# KiCad board LV_PCB.kicad_pcb (continued)
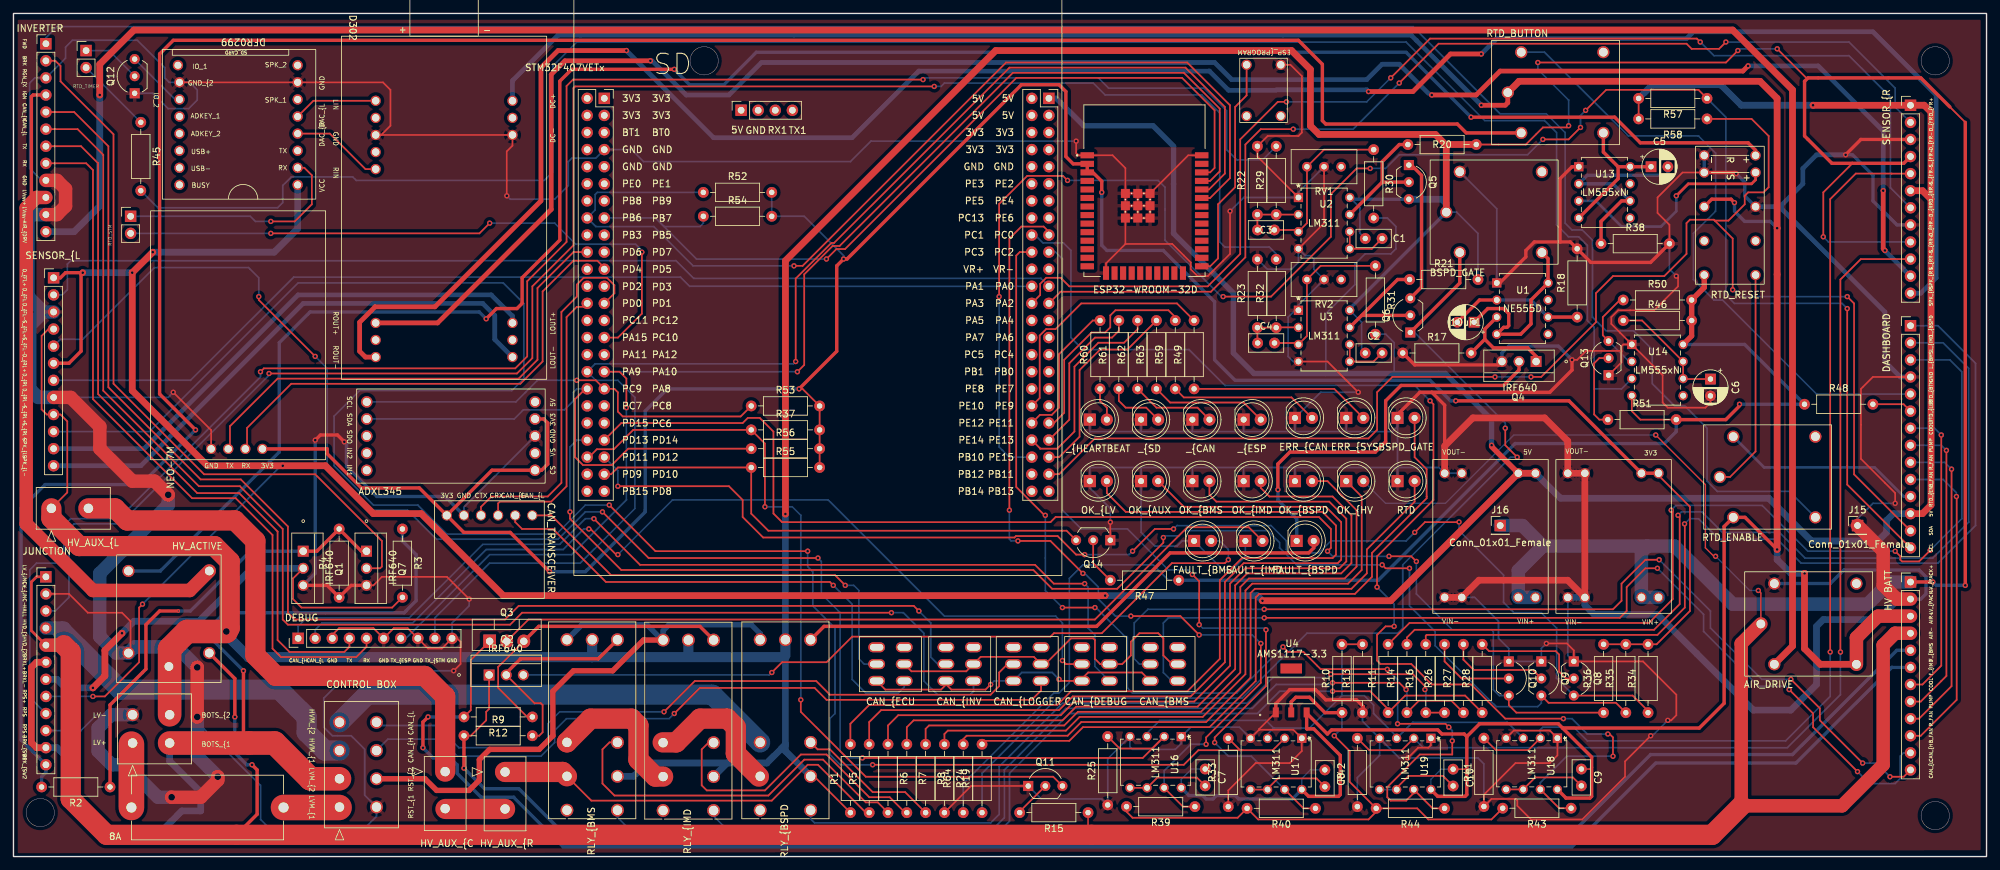
[diagram p0: board, top side]
## Nets
+3V3: R34.2 R35.2 R36.2 R37.2 R52.2 R53.2 R54.2 R55.2 R56.2 U6.3 U7.1 U9.1 U9.7 U10.1 U11.2 U11.3
ACC_{SCL}: R53.1 U9.14 U15.67
ACC_{SDA}: R56.1 U9.13 U15.66
ADC2_IN0: J12.2 U15.23
ADC2_IN1: J12.7 U15.24
ADC2_IN2: J10.2 U15.25
ADC2_IN3: J10.7 U15.26
ADC3_IN10: R39.1 U15.15 U16.7
ADC3_IN11: R43.1 U15.16 U18.7
ADC3_IN12: R40.1 U15.17 U17.7
ADC3_IN13: R44.1 U15.18 U19.7
AIR+: C7.1 C8.1 C9.1 C10.1 J2.3 K3.14 K4.2 K5.7 K6.13 U4.3 U8.1 U16.8 U17.8 U18.8 U19.8
AIR-: D10.2 J2.4 J4.1 J4.5 K2.2 K3.7 R15.1
AIR_DRIVE: J1.12 K3.2
BMS_FAULT: J2.5 Q2.1 R9.1
BMS_Pin: Q8.3 R34.1 U15.59
BOTS_{1}: J3.2 J4.6 J4.11 J6.3 R3.1
BOTS_{2}: C1.1 C2.1 J2.1 J6.4 J10.4 J10.9 J12.4 J12.9 J13.1 J16.1 K1.7 K2.7 Q5.3 R1.1 R20.1 R21.2 RLY1.3 RLY1.4 RLY2.3 RLY2.4 RLY3.3 RLY3.4 U2.8 U3.8 U5.1 U6.1
BRAKE_LIGHT-: J4.7 Q1.2 R3.2
BRAKE_SW_{2}: J4.12 K5.2 R2.2
BRAKE_SW_{INV}: J1.2 Q7.2
BRAKE_{GND}: C6.2 D1.1 D2.1 D3.1 D4.1 D5.1 D6.1 D8.1 D9.1 D11.1 D12.1 D13.1 D14.1 D15.1 D16.1 D17.1 J1.3 J1.9 J1.11 J2.2 J3.5 J4.2 J4.10 J5.4 J6.2 J7.3 J7.6 J7.8 J7.10 J10.3 J10.8 J12.3 J12.8 J15.1 K1.6 K2.6 K3.6 K6.4 K6.15 K6.16 Q1.3 Q4.3 Q7.3 Q8.1 Q9.1 Q10.1 Q11.1 Q12.1 Q13.1 Q14.1 R4.1 R13.1 R17.1 R18.2 R22.2 R23.2 R24.2 R25.1 R33.1 R38.2 R41.1 R42.1 RV1.2 RV2.2 SW8.2 U1.1 U2.1 U2.4 U3.1 U3.4 U4.1 U5.2 U5.4 U6.2 U6.4 U7.2 U8.2 U8.8 U9.2 U10.4 U11.1 U11.15 U11.38 U11.39_1 U11.39_2 U11.39_3 U11.39_4 U11.39_5 U11.39_6 U11.39_7 U11.39_8 U11.39_9 U11.39_10 U11.39_11 U11.39_12 U11.39_13 U11.39_14 U11.39_15 U11.39_16 U11.39_17 U11.39_18 U11.39_19 U11.39_20 U11.39_21 U12.7 U12.10 U13.1 U14.1 U15.20 U16.1 U16.4 U17.1 U17.4 U18.1 U18.4 U19.1 U19.4
BRAKE_{PWR}: J4.8 J5.12 J10.1 J10.6 J12.1 J12.6 R30.2 R31.2 R57.2 R58.2 U5.3 U12.1 U15.100
BRAKE_{SIG}: J4.9 R29.2
BSPD_Pin: Q10.3 R36.1 U15.61
CAN1_{RX}: U7.4 U15.81
CAN1_{TX}: U7.3 U15.82
CAN_H_{BMS}: J2.11 SW3.6
CAN_H_{DEBUG}: J7.1 SW1.6
CAN_H_{INV}: J1.5 SW4.3
CAN_H_{LOGGER}: J3.7 SW5.6
CAN_L_{BMS}: J2.12 SW3.3
CAN_L_{DEBUG}: J7.2 SW1.3
CAN_L_{INV}: J1.6 SW4.6
CAN_L_{LOGGER}: J3.8 SW5.3
ESP_RX: J7.9 U11.34 U15.68
ESP_TX: J7.7 U11.35 U15.69
ESP_{SCL}: R54.1 U11.36 U15.93
ESP_{SDA}: R52.1 U11.33 U15.92
FORWARD_ENABLE: J1.1 K4.14
GPS_{RX}: U10.2 U15.86
GPS_{TX}: U10.3 U15.87
HALL_{SIG}: J4.3 R32.2
HV_ACTIVE_Pin: Q11.3 R37.1 U15.58
HV_AUX_{C1}: J8.1 J13.2
HV_AUX_{C2}: J8.2 J11.2
HV_AUX_{R2}: J11.1 R5.1 RLY1.7
HV_MASTER_{1}: J3.4 RLY3.8
HVD_{1}: J3.3 J4.4
IGNITION_INPUT: J1.4 J1.10 K2.14
IMD_FAULT: J2.6 Q3.1 R12.2
IMD_Pin: Q9.3 R35.1 U15.60
LATCH_{BMS}: J5.3 R11.2
LATCH_{BSPD}: J5.1 R16.2
LATCH_{IMD}: J5.2 R14.2
LCD_{SCL}: J5.14 R57.1 U15.47
LCD_{SDA}: J5.13 R58.1 U15.48
LV+: F1.2 J6.1
LV_MASTER_{1}: F1.1 J3.1
RESET_{2}: J3.6 RLY1.1 RLY2.1 RLY3.1
RTD_ACTIVE_Pin: Q14.3 R55.1 U15.57
RTD_BUTTON: J5.5 K5.6
RTD_LED: J5.6 R48.2
SPD_FL_{GND}: J12.5 R25.2 U16.2
SPD_FR_{GND}: J10.5 R41.2 U18.2
SPD_RL_{GND}: J12.10 R33.2 U17.2
SPD_RR_{GND}: J10.10 R42.2 U19.2
SPK_L+: J12.11 U8.3
SPK_L-: J12.12 U8.4
SPK_R+: J10.11 U8.6
SPK_R-: J10.12 U8.5
SW_{RTD_EN}: J5.11 K4.6
Net-(10uF1-Pad1): 10uF1.1 K1.14 U1.4 U1.8
Net-(10uF1-Pad2): 10uF1.2 R18.1 U1.2 U1.6
Net-(C1-Pad2): C1.2 U2.5 U2.6
Net-(C2-Pad2): C2.2 U3.5 U3.6
Net-(C3-Pad1): C3.1 R22.1 R29.1 U2.2
Net-(C3-Pad2): C3.2 R30.1 RV1.1 U2.3
Net-(C4-Pad1): C4.1 R23.1 R32.1 U3.2
Net-(C4-Pad2): C4.2 R31.1 RV2.1 U3.3
Net-(C5-Pad1): C5.1 K5.14 U13.4 U13.8
Net-(C5-Pad2): C5.2 R38.1 U13.2 U13.6
Net-(C6-Pad1): C6.1 R46.1 U14.6 U14.7
Net-(C7-Pad2): C7.2 U16.5 U16.6
Net-(C8-Pad2): C8.2 U17.5 U17.6
Net-(C9-Pad2): C9.2 U18.5 U18.6
Net-(C10-Pad2): C10.2 U19.5 U19.6
Net-(D1-Pad2): D1.2 R1.2
Net-(D2-Pad2): D2.2 Q2.3
Net-(D3-Pad2): D3.2 R5.2
Net-(D4-Pad2): D4.2 R6.1
Net-(D5-Pad2): D5.2 Q3.2
Net-(D6-Pad2): D6.2 R7.1
Net-(D7-Pad1): D7.1 Q4.2
Net-(D7-Pad2): D7.2 RLY3.2
Net-(D8-Pad2): D8.2 R8.1
Net-(D9-Pad2): D9.2 R19.2
Net-(D10-Pad1): D10.1 R24.1
Net-(D11-Pad2): D11.2 R49.1
Net-(D12-Pad2): D12.2 R59.1
Net-(D13-Pad2): D13.2 R60.1
Net-(D14-Pad2): D14.2 R61.1
Net-(D15-Pad2): D15.2 R62.1
Net-(D16-Pad2): D16.2 R63.1
Net-(D17-Pad2): D17.2 R64.2
Net-(J1-Pad7): J1.7 J7.4
Net-(J1-Pad8): J1.8 J7.5
Net-(J2-Pad7): J2.7 J5.7
Net-(J2-Pad8): J2.8 J5.8
Net-(J2-Pad9): J2.9 J5.9
Net-(J2-Pad10): J2.10 J5.10
Net-(J9-Pad1): J9.1 Q12.2
Net-(J9-Pad2): J9.2 R45.1
Net-(J14-Pad1): J14.1 U12.2
Net-(K1-Pad2): K1.2 Q6.1 R19.1
Net-(K4-Pad7): K4.7 K6.8
Net-(K6-Pad1): K2.1 K6.1
Net-(K6-Pad2): K6.2 U13.3
Net-(K6-Pad9): K6.9 R46.2 R47.1 R48.1 R50.2 R51.2 R64.1 U14.4 U14.8
Net-(Q1-Pad1): Q1.1 Q7.1 R2.1 R4.2
Net-(Q2-Pad2): Q2.2 R9.2 RLY1.2
Net-(Q3-Pad3): Q3.3 R12.1 RLY2.2
Net-(Q4-Pad1): Q4.1 R17.2 U1.3
Net-(Q5-Pad1): Q5.1 Q6.3
Net-(Q5-Pad2): Q5.2 R20.2 U2.7
Net-(Q6-Pad2): Q6.2 R21.1 U3.7
Net-(Q8-Pad2): Q8.2 R28.2
Net-(Q9-Pad2): Q9.2 R27.2
Net-(Q10-Pad2): Q10.2 R26.2
Net-(Q11-Pad2): Q11.2 R15.2
Net-(Q12-Pad3): Q12.3 U12.11
Net-(Q13-Pad2): Q13.2 R51.1
Net-(Q13-Pad3): Q13.3 R50.1 U14.2
Net-(Q14-Pad2): Q14.2 R47.2
Net-(R6-Pad2): R6.2 RLY1.5
Net-(R7-Pad2): R7.2 RLY2.5
Net-(R8-Pad2): R8.2 RLY3.5
Net-(R10-Pad1): R10.1 R39.2 R40.2 R43.2 R44.2 U4.2
Net-(R10-Pad2): R10.2 R13.2 U16.3 U17.3 U18.3 U19.3
Net-(R11-Pad1): R11.1 R28.1 RLY1.6
Net-(R14-Pad1): R14.1 R27.1 RLY2.6
Net-(R16-Pad1): R16.1 R26.1 RLY3.6
Net-(R45-Pad2): R45.2 U14.3
Net-(R49-Pad2): R49.2 U15.41
Net-(R59-Pad2): R59.2 U15.42
Net-(R60-Pad2): R60.2 U15.43
Net-(R61-Pad2): R61.2 U15.44
Net-(R62-Pad2): R62.2 U15.45
Net-(R63-Pad2): R63.2 U15.46
Net-(RLY1-Pad8): RLY1.8 RLY2.7
Net-(RLY2-Pad8): RLY2.8 RLY3.7
Net-(SW1-Pad1): SW1.1 SW2.1 SW3.1 SW4.1 SW5.1
Net-(SW1-Pad4): SW1.4 SW2.4 SW3.4 SW4.4 SW5.4
Net-(SW2-Pad3): SW2.3 U7.6
Net-(SW2-Pad6): SW2.6 U7.5
Net-(SW8-Pad1): SW8.1 U11.25
Net-(U12-Pad4): U8.7 U12.4
Net-(U12-Pad5): U8.9 U12.5
Net-(U15-Pad78): J14.2 U15.78

Pads without a net: K1 1; K3 1; K4 1; K5 1; K6 6 11; RLY1 9; RLY2 9; RLY3 9; RV1 3; RV2 3; SW1 2 5; SW2 2 5; SW3 2 5; SW4 2 5; SW5 2 5; U1 5 7; U4 4; U8 x; U9 6 8 9 12 22; U11 4 5 6 7 8 9 10 11 12 13 14 16 17 18 19 20 21 22 23 24 26 27 28 29 30 31 32 37; U12 3 6 8 9 12 13 14 15 16; U13 5 7; U14 5; U15 63 64 94 110 111 112 113 X

## Via types
v1: diameter 0.8, hole 0.4, Top to Bottom, 186 vias
v2: diameter 2, hole 1, Top to Bottom, 6 vias
v3: diameter 1, hole 0.4, Top to Bottom, 11 vias
v4: diameter 0.5, hole 0.2, Top to Bottom, 1 via

## Routing (per net, layer and track width the routed paths; a pad name or vN(x,y) marks a point on that pad's centre or on a via; arc(x,y) is an arc through that point)
+3V3: length 396.1
  Top w0.25: 160.34,101.71 U11.3 ; R55.2 R56.2 R37.2 R53.2 117.21,69.52 v1(116.71,69.52) ; 244.37,56.66 249.04,52 249.04,36.5 244.09,31.55 R34.2 R36.2 ; 46.57,60.6 46.6,60.63
  Top w0.5: U7.1 60.3,54.79 51.69,54.79 46.6,59.88 46.6,60.63 ; U7.1 66.9,48.19 73.78,48.19 v1(79.62,42.34) ; U7.1 71.09,57.43 U9.7 78.45,57.43 79.37,58.35 79.37,64.44 78.76,65.05 77.48,65.05 ; 160.34,101.71 161.66,100.39 v1(161.66,98.73) ; U6.3 U6.3 231.07,67.75 v1(214.25,67.75) ; v1(116.71,69.52) 122.29,75.11 122.29,87.8 v1(123.32,88.83) 123.83,88.83 149.74,114.74 155.32,114.74 156.34,113.72 156.34,104.06 157.42,102.98 U11.2 U11.3 ; 37.24,60.6 46.57,60.6
  Bottom w0.25: 161.66,98.48 v1(161.66,98.73) ; R52.2 R54.2 117.47,95.18 123.32,89.32 v1(123.32,88.83)
  Bottom w0.5: 161.66,98.48 161.66,90.86 162.43,90.1 170.81,90.1 178.43,82.48 178.43,73.84 181.48,70.79 210.43,70.79 213.48,67.75 v1(214.25,67.75) ; v1(116.71,69.52) 97.15,69.52 93.84,66.22 93.84,51.23 84.96,42.34 v1(79.62,42.34)
ACC_{SCL}: length 63
  Top w0.25: v1(83.69,70.79) 86.51,70.79 U15.67 89.26,69.53 89.78,69.02 89.78,66.15 90.51,65.42 108.03,65.42 R53.1
  Bottom w0.25: v1(83.69,70.79) 77.84,70.79 74.64,67.59 U9.14
ACC_{SDA}: length 74.1
  Top w0.25: U15.66 84.96,69.53 83.43,68 83.43,59.36 84.6,58.2 88.88,58.2 91.31,60.63 R56.1
  Bottom w0.25: U15.66 83.69,69.53 83.18,69.02 83.18,67.75 81.84,66.41 75.75,66.41 74.38,65.05 52.48,65.05
ADC2_IN0: length 153.8
  Bottom w0.25: J12.2 7.24,83.49 8,84.25 8,88.06 8.51,88.57 98.42,88.57 101.04,85.95 152.64,85.95 U15.23
ADC2_IN1: length 152.2
  Bottom w0.25: J12.7 26.29,70.79 41.64,86.14 99.07,86.14 100.44,84.77 U15.24
ADC2_IN2: length 161.1
  Top w0.25: v1(254.38,121.09) 253.37,120.07 249.29,120.07 248.53,120.83 211.7,120.83 v1(205.86,114.99) ; U15.25 155.54,83.96 177.88,83.96 183,89.08 183,105.84 185.28,108.13 v1(190.11,108.13)
  Bottom w0.25: v1(254.38,121.09) 272.67,121.09 279.53,114.23 279.53,111.41 J10.2 ; v1(190.11,108.13) 199,108.13 v1(205.86,114.99)
ADC2_IN3: length 177.1
  Top w0.25: U15.26 152.52,83.48 152.52,85.14 153.41,86.03 155.57,86.03 156.84,84.76 177.41,84.76 182.24,89.59 182.24,106.61 187.83,112.19 v1(189.09,112.19) ; v1(204.59,115.75) 210.43,121.59 250.06,121.59 v1(250.57,121.09)
  Bottom w0.25: v1(250.57,121.09) 252.61,119.05 272.67,119.05 278.83,112.9 278.83,99.42 J10.7 ; v1(204.59,115.75) 201.03,112.19 v1(189.09,112.19)
ADC3_IN10: length 131.4
  Top w0.25: R39.1 173.73,7.42 170.93,10.21 ; v1(165.99,35.74) 173.35,35.74 v1(176.14,32.95) ; v1(149.22,46.92) 154.04,46.92 v1(158.87,42.09) ; v1(185.3,31.68) 185.3,25.84 177.17,17.71 v1(177.17,16.69) ; v1(147.95,51.49) 147.95,91.88 149.73,93.65 153.03,93.65 153.81,92.87 U15.15
  Bottom w0.25: v1(177.17,16.69) 174.87,16.69 170.93,12.75 170.93,10.21 ; v1(158.87,42.09) 159.12,42.09 161.16,40.06 161.16,38.28 163.7,35.74 v1(165.99,35.74) ; v1(147.95,51.49) 147.95,47.17 148.2,46.92 v1(149.22,46.92) ; v1(185.3,31.68) 184.03,32.95 v1(176.14,32.95)
ADC3_IN11: length 183.8
  Top w0.25: v1(205.1,34.22) 203.83,34.22 202.56,32.95 202.56,29.14 203.06,28.63 207.64,28.63 210.69,25.58 216.53,25.58 221.61,20.5 v1(230.24,20.5) ; v1(210.43,67.75) 210.94,67.24 210.94,53 202.56,44.62 v1(202.56,40.06) ; v1(237.61,14.91) 237.61,17.71 237.1,18.22 v1(236.85,18.22) ; 226.81,9.98 229.61,7.19 R43.1
  Bottom w0.25: v1(202.56,40.06) 205.1,37.52 v1(205.1,34.22) ; v1(237.61,14.91) 230.75,14.91 226.81,10.98 226.81,9.98 ; v1(236.85,18.22) 233.8,18.22 231.51,20.5 v1(230.24,20.5) ; v1(210.43,67.75) 208.14,70.03 179.95,70.03 174.62,75.37 158.87,75.37 157.09,77.14 157.09,90.1 155.97,91.22 152.92,91.22 151.75,92.39 U15.16
ADC3_IN12: length 120.1
  Top w0.25: v1(186.06,33.71) 186.06,25.33 178.44,17.71 v1(178.44,16.95) ; v1(175.12,41.92) 176.14,40.91 v1(176.14,34.47) ; R40.1 191.64,7.17 U17.7
  Bottom w0.25: v1(178.44,16.95) 180.47,14.91 183.89,14.91 U17.7 ; v1(186.06,33.71) 185.8,33.96 176.65,33.96 v1(176.14,34.47) ; U15.17 154.8,89.85 155.82,88.83 155.82,51.49 158.62,48.7 165.48,48.7 171.58,42.6 174.45,42.6 v1(175.12,41.92)
ADC3_IN13: length 164.8
  Top w0.25: v1(153.28,50.73) 153.17,50.73 148.96,54.94 148.96,89.34 149.48,89.85 U15.18 ; v1(213.73,17.2) 213.73,15.17 208.92,15.17 204.08,10.33 204.08,8.82 204.59,8.31 206.88,8.31 208.02,9.45 U19.7 210.81,7.17 R44.1 ; v1(188.59,31.17) 189.33,30.43 191.62,30.43 194.18,27.87 204.04,27.87 v1(204.08,27.83) ; v1(213.23,19.23) 212.72,19.74 v1(205.61,19.74) ; v1(160.66,37.01) v1(155.82,37.01)
  Bottom w0.25: v1(160.66,37.01) 160.8,37.01 165.12,32.69 165.47,32.69 165.47,25.07 166.24,24.31 181.73,24.31 v1(188.59,31.17) ; v1(155.82,37.01) 153.28,39.55 v1(153.28,50.73) ; v1(213.23,19.23) 213.73,18.72 v1(213.73,17.2) ; v1(204.08,27.83) 205.61,26.31 v1(205.61,19.74)
AIR+: length 518.2
  Top w0.2: 215.89,13.01 215.87,12.99 C10.1 ; 234.43,13.26 234.18,13.01 C9.1
  Top w0.5: v3(261.99,45.65) 257.22,50.42 K4.2 254.12,49.06 254.12,22.79 250.44,19.1 230.12,19.1 ; 215.89,17.83 215.51,18.22 212.19,18.22 211.58,18.83 195.81,18.83 195.19,18.22 192.1,21.31 ; 215.89,17.83 217.8,19.74 229.49,19.74 230.12,19.1 ; 215.89,17.83 215.89,9.2 215.64,8.94 211.57,8.94 U19.8 ; v3(266.07,42.09) 266.06,42.1 ; U4.3 192.1,19.02 192.14,18.98 193.16,18.98 197.1,15.04 197.1,9.2 196.84,8.94 192.4,8.94 U17.8 ; 230.12,19.1 234.43,14.79 234.43,8.94 234.18,8.69 230.62,8.69 230.62,8.71 229.35,9.98 ; 251.17,96.61 252.28,97.72 255.14,97.72 v1(255.65,97.21)
  Top w0.7: K5.7 221.98,112.06 221.61,111.69 v1(218.05,111.69)
  Top w1: K5.7 223.65,115.24 259.45,115.24 261.99,112.7 v3(261.99,93.41) v3(261.99,45.65) ; 266.06,42.1 266.06,30.92 268.39,28.58 K3.14
  Top w2: J2.3 276.97,35.74 273.77,32.54 K3.14
  Bottom w0.2: U19.8 210.56,11.48 212.06,12.99 C10.1 ; U16.8 173.47,11.48 175,13.01 C7.1 ; C8.1 192.65,12.88 191.38,11.61 U17.8
  Bottom w0.5: U17.8 189.98,8.56 181.99,8.56 181.49,9.07 178.69,9.07 178.18,8.56 177.17,8.56 176.66,9.07 174.62,9.07 U16.8 ; v3(261.99,93.41) 260.99,94.41 257.18,94.41 255.65,95.94 v1(255.65,97.21)
  Bottom w0.7: v1(218.05,111.69) 207.64,122.1 80.89,122.1 74.13,115.34 U8.1
  Bottom w1: v3(261.99,45.65) 261.99,44.13 264.04,42.09 v3(266.07,42.09)
AIR-: length 485
  Top w0.2: v1(259.2,39.55) 259.57,39.18 K3.7 ; 160.14,3.23 159.63,3.74 R15.1 ; v1(252.85,44.63) 252.6,44.63 251.34,45.89 251.34,55.29 v1(243.96,62.67)
  Top w0.4: J4.1 3.42,41.58 2.66,40.82 2.66,33.58 J4.5
  Top w0.5: 33.14,3.23 36.2,6.29 36.2,12.88 v1(35.44,13.64) ; K2.2 32.88,26.46 v1(32.88,20.75)
  Top w2: K3.7 256.66,31.66 256.66,7.55 271.64,7.55 277.74,13.64 277.74,31.42 279.51,33.2 J2.4 ; J4.5 7.49,31.42
  Top w3: 256.66,7.55 252.34,3.23 13.84,3.23 8.51,8.55 8.51,30.41 7.49,31.42
  Bottom w0.2: v1(259.2,39.55) 257.93,39.55 v1(252.85,44.63) ; v1(243.96,62.67) 222.88,62.67 212.72,52.5 203.83,52.5 D10.2
  Bottom w0.5: v1(32.88,20.75) 32.88,15.42 34.66,13.64 v1(35.44,13.64)
AIR_DRIVE: length 374.4
  Top w1: v3(12.82,113.21) 12.82,117.78 17.9,122.86 255.39,122.86 264.28,113.97 264.28,31.28 K3.2
  Bottom w1: J1.12 9.01,92.89 12.82,96.7 v3(12.82,113.21)
BMS_FAULT: length 247
  Top w0.25: Q2.1 70.66,21.95 70.22,21.52 70.22,20.25 67.94,17.96 R9.1
  Top w0.5: v1(66.92,13.14) R9.1
  Bottom w0.5: J2.5 279.77,30.66 264.28,15.17 243.2,15.17 230.5,2.47 82.68,2.47 75.06,10.09 69.97,10.09 v1(66.92,13.14)
BMS_Pin: length 189.6
  Top w0.25: v1(159.12,44.89) 157.86,44.89 155.11,47.64 148.92,47.64 148.7,47.42 111.37,47.42 108.32,50.47 108.32,53.01 106.29,55.05 v1(89.78,55.05) ; v1(166.25,45.39) 169.55,48.7 v1(172.33,48.7) ; v1(208.16,48.19) 209.68,49.71 214.72,49.71 v1(214.74,49.73) ; R34.1 242.82,21.64 240.53,23.93 Q8.3
  Bottom w0.25: Q8.3 229.23,26.49 229.23,33.97 226.95,36.25 222.89,36.25 221.35,37.78 221.35,41.84 214.74,48.45 v1(214.74,49.73) ; v1(159.12,44.89) 165.74,44.89 v1(166.25,45.39) ; v1(172.33,48.7) 172.84,49.2 186.81,49.2 189.09,46.92 189.09,45.65 189.6,45.14 193.93,45.14 195.71,46.92 206.88,46.92 v1(208.16,48.19) ; U15.59 89.78,57.36 v1(89.78,55.05)
BOTS_{1}: length 152.9
  Top w0.25: 34.16,17.71 35,16.88
  Top w0.5: v1(34.16,27.61) 34.16,17.71
  Top w1: J4.6 3.42,28.88 2.66,28.12 2.66,16.95 3.42,16.18 J4.11
  Top w3.5: J6.3 38.8,16.88 44.11,11.56 J3.2
  Bottom w0.5: R3.1 57.78,46.93 59.82,44.89 59.82,38.03 58.04,36.25 31.37,36.25 29.09,33.96 29.09,32.69 v1(34.16,27.61)
  Bottom w1: J4.11 6.47,16.18 8.25,14.41 8.25,7.55 12.57,3.23 21.46,3.23 25.01,6.79 27.82,6.79 27.82,9.58 23.2,14.2 J6.3
BOTS_{2}: length 812.4
  Top w0.25: R1.1 118.93,11.93 RLY3.4 ; v1(285.12,40.82) 285.11,40.82 ; v1(262,120.07) 266.32,115.75 ; 212.97,105.84 212.85,105.72 ; R20.1 224.67,105.84 227.2,108.38 230.76,108.38 v1(231.01,108.64) ; J13.1 7.99,54.12 7.99,64.7 6.98,65.71 J12.9 4.95,65.71 4.18,66.48 4.18,77.4 5.2,78.41 J12.4 ; v1(226.44,118.04) 254.38,118.04 v1(256.16,119.81) ; 201.04,74.6 200.81,74.84 C2.1 ; v1(268.85,92.13) 268.85,98.73 273.17,103.05 273.18,103.05 ; 287.66,111.43 289.94,109.15
  Top w0.5: J10.4 280.8,103.05 270.13,103.05 266.07,107.12 266.07,115.24 266.57,115.75 283.34,115.75 287.66,111.43 ; 285.11,40.82 J2.1 ; 289.94,109.15 v1(289.94,40.31)
  Top w1: R20.1 212.97,105.84 ; v3(114.67,50.92) 114.67,88.57 145.92,119.81 189.86,119.81 192.66,117.01 192.66,108.63 193.95,107.34 211.23,107.34 212.85,105.72 K1.7
  Top w2: v2(31.63,33.45) 31.62,33.45
  Top w3: J13.1 5.63,50.29 9.77,46.16 29.85,46.16 32.12,43.88 32.12,33.96 31.62,33.45
  Top w3.5: 31.62,33.45 25.78,33.45 23.2,30.87 J6.4
  Bottom w0.25: U2.8 200.02,96.46 200.02,92.67 C1.1 ; R21.2 217.55,92.63 214.39,95.79 K1.7 ; U3.8 200.27,79.44 200.27,75.39 C2.1 ; v1(256.16,119.81) 256.42,120.07 v1(262,120.07) ; J10.9 269.62,91.36 v1(268.85,92.13) ; v1(226.44,118.04) 226.44,117.02 231.01,112.45 v1(231.01,108.64)
  Bottom w0.5: v1(289.94,40.31) 285.62,40.31 v1(285.12,40.82) ; K1.7 198.5,81.45 ; Q5.3 198.76,97.72
  Bottom w1: 114.42,29.64 114.67,29.9 114.67,16.65 ; RLY2.4 106.02,13.9 ; 106.02,13.9 94.1,13.9 92.13,11.93 RLY1.4 ; 106.02,13.9 111.92,13.9 114.67,16.65 ; Q5.3 212.21,97.72 212.85,97.08 K1.7 ; v3(114.67,50.92) RLY3.3 ; RLY3.4 114.67,15.68 114.67,16.65 ; 198.5,81.45 U3.8 ; 100.2,29.64 100.26,29.7
  Bottom w1.5: 85.97,29.64 34.92,29.64 31.63,32.94 v2(31.63,33.45) ; 85.97,29.64 RLY1.3 ; 85.97,29.64 114.42,29.64 ; 100.26,29.7 RLY2.3 ; 114.67,29.9 RLY3.3
  Bottom w2: 227.19,46.16 223.54,42.5 U5.1 U5.1 ; 227.19,46.16 242.69,46.16 ; 227.19,46.16 224.15,49.2 J16.1 ; 242.69,46.16 246.75,46.16 255.39,37.52 275.45,37.52 278.75,40.82 J2.1 ; 242.69,46.16 241.83,45.3 U6.1 U6.1
BRAKE_LIGHT-: length 71
  Top w0.25: Q1.2 41.53,41.34 41.53,38.27 42.79,37.01 56.25,37.01 R3.2
  Top w1: v3(16.12,33.2) 13.58,30.66 13.58,26.85 v3(11.8,25.07)
  Bottom w1: Q1.2 35.43,42.85 27.55,34.98 17.9,34.98 v3(16.12,33.2) ; J4.7 6.47,26.34 7.74,25.07 v3(11.8,25.07)
BRAKE_SW_{2}: length 345.8
  Top w0.5: K5.2 215.82,107.57 214.5,108.89 194.94,108.89 194.44,109.39 194.44,117.77 190.87,121.34 23.74,121.34 21.71,119.31 21.71,68.76 v1(27.04,63.43)
  Bottom w0.5: R2.2 4.18,11.87 4.82,12.5 J4.12 1.14,17.33 1.14,51.74 4.69,55.3 18.91,55.3 v1(27.04,63.43)
BRAKE_SW_{INV}: length 108.7
  Top w0.25: Q7.2 54.48,42.85 54.73,43.11 54.73,46.92 44.82,56.82 28.32,56.82 14.86,70.28 14.86,107.37 6.99,115.24 6.99,117.53 6.23,118.29 J1.2
BRAKE_{GND}: length 1829.9
  Top w0.25: 165.18,91.06 172.14,91.06 174.88,88.32 174.88,87.3 175.9,86.29 177.42,86.29 180.72,89.59 v1(180.72,95.94) ; 165.18,91.06 U11.39_7 ; 165.18,91.06 162.3,88.18 U11.15 ; v1(245.75,20.25) 246.25,20.25 247.02,21.01 247.02,24.06 242.06,29.01 Q8.1 231.79,30.65 230.76,31.68 v1(227.71,31.68) ; U3.4 195.2,73.59 v1(199.77,69.02) ; J7.3 47.37,32.95 48.38,33.96 53.46,33.96 J7.6 56.51,33.96 58.54,33.96 J7.8 61.59,30.92 63.62,30.92 J7.10 65.91,32.44 66.41,31.93 66.41,28.63 v1(65.4,27.61) ; 185.03,18.85 U17.4 ; 185.03,18.85 190.11,18.85 U17.1 191.38,15.68 189.6,13.9 184.52,13.9 180.46,9.83 R33.1 ; 185.03,18.85 185.03,18.94 U4.1 ; 251.17,101.69 247.94,101.69 244.22,97.97 244.22,95.69 245.99,93.92 R38.2 ; U14.1 244.99,71.55 244.99,67.49 245.75,66.73 251.34,66.73 252.09,67.48 C6.2 ; U14.1 239.13,76.13 238.88,75.87 238.88,75.12 ; U14.1 238.63,77.89 238.63,77.91 237.37,79.17 237.37,80.19 238.38,81.21 243.72,81.21 247.27,84.76 247.27,86.03 v1(247.02,86.29) ; U2.1 184.79,104.07 R22.2 186.31,107.12 190.88,107.12 191.39,107.62 191.39,116 189.7,117.7 SW8.2 ; v1(243.21,17.96) 239.4,14.15 239.4,11.87 233.05,5.52 225.43,5.52 223.39,7.55 223.39,8.31 223.14,8.56 219.56,8.56 R41.1 218.43,9.2 223.13,13.9 228.21,13.9 229.35,15.04 U18.1 228.23,18.72 222.86,18.72 U18.4 ; R24.2 142.25,10.49 Q11.1 ; U11.39_2 U11.39_8 ; Q14.1 162.93,49.7 v1(162.94,49.71) ; 238.88,75.12 238.83,75.17 233.61,75.17 232.29,73.84 v1(231.52,73.84) ; 238.88,75.12 238.88,73.48 Q13.1 ; U11.39_7 U11.39_1 ; U11.39_7 U11.39_9 U11.39_3 ; U12.10 U12.7 54.88,115.09 56,113.97 56,108.64 54.63,107.27 U8.8 U8.2 74.13,105.68 73.28,104.83 v1(73.28,98.22) ; U11.39_3 U11.39_1 ; U11.39_3 174.51,104.25 U11.38 ; U11.39_1 165.18,102.34 163.27,104.25 U11.1 158.19,104.25 157.86,104.57 v1(157.86,106.35) ; J5.4 276.22,71.29 274.45,69.52 274.45,59.11 279.53,54.03 v1(279.53,52.5) ; RV1.2 194.68,94.15 U2.4 ; Q7.3 53.47,40.31 54.74,41.58 64.39,41.58 v1(67.69,38.28) ; U10.4 29.36,63.39 v1(23.74,69.02) ; 200.53,21.52 R13.1 ; J4.2 8.25,39.04 11.04,36.25 16.12,36.25 17.39,34.98 17.39,30.56 K2.6 ; U11.39_4 U11.39_6 ; v1(207.14,14.66) 208.66,16.18 210.19,16.18 210.56,16.55 U19.1
  Top w0.5: v1(49.15,61.65) 48.13,62.67 45.6,62.67 v1(44.83,61.9) ; 210.69,69.02 228.22,69.02 231.52,72.32 v1(231.52,73.84) ; 210.69,69.02 212.6,67.11 U5.4 ; 210.69,69.02 208.92,69.02 205.6,65.7 D9.1 ; U13.1 231.52,102.54 229.75,100.77 229.75,91.37 ; J10.3 274.43,106.6 272.16,104.33 ; Q4.3 220.6,73.08 208.16,73.08 R17.1 ; R38.2 243.2,88.32 234.32,88.32 R18.2 231.27,91.37 229.75,91.37 ; U4.1 187.52,22.74 189.6,24.82 193.41,24.82 194.94,23.3 199.51,23.3 200.53,22.28 200.53,21.52 ; v1(255.91,101.53) 255.75,101.69 251.17,101.69 ; U1.1 220.79,85.27 224.67,89.14 224.67,90.1 225.94,91.37 229.75,91.37 ; Q1.3 46.6,40.31 R4.1 50.16,40.31 Q7.3
  Top w1: U5.4 212.6,61.02 216.79,65.2 227.46,65.2 230.89,61.77 U6.4 U6.4 U6.2 230.88,41.08 217.7,41.08 U5.2 U5.2
  Top w2: J12.8 8.5,68.25 12.83,63.92 12.83,60.63 17.66,55.81 20.96,55.81 v2(22.99,53.78) ; J15.1 277.75,45.39 277.75,40.31 279.79,38.28 J2.2 ; J1.9 6.47,100.51 7.74,99.24 7.74,96.7 6.47,95.43 J1.11 ; v2(23.5,8.82) 27.82,8.82 30.35,11.36 v2(30.35,11.87) ; v2(27.3,28.12) v2(27.3,20.75)
  Bottom w0.25: J12.8 22.99,68.25 23.24,68.51 23.24,68.52 v1(23.74,69.02) ; 175.14,57.84 175.12,57.83 D4.1 ; 175.14,57.84 167.52,57.84 ; 175.14,57.84 182.76,57.84 ; D14.1 167.51,63.18 167.52,63.17 ; 190.38,57.84 205.62,57.84 ; 190.38,57.84 182.76,57.84 ; 190.38,57.84 190.37,57.83 D8.1 ; Q8.1 230.89,29.91 U6.2 ; v1(73.28,98.22) 73.79,97.72 80.39,97.72 82.43,99.75 82.43,103.31 82.93,103.81 86.49,103.81 U15.20 91.81,105.09 93.6,103.31 124.34,103.31 127.38,106.35 v1(157.86,106.35) ; D6.1 182.75,57.83 182.76,57.84 ; Q12.1 20.69,113.47 22.98,111.18 26.03,111.18 27.3,112.45 27.3,113.97 26.18,115.09 U12.10 23.13,115.09 22.47,115.75 22.47,117.28 18.41,121.34 8.76,121.34 7.74,120.32 7.74,118.67 J1.3 3.17,115.75 2.41,114.99 2.41,102.29 4.18,100.51 J1.9 ; U19.4 200.4,20.12 R13.1 ; U19.4 205.86,14.66 v1(207.14,14.66) 217.55,14.66 218.43,13.78 R41.1 ; U19.4 202.94,15.04 199.64,11.74 R42.1 ; U1.1 220.35,96.29 K1.6 ; Q11.1 152.67,8.56 161.66,8.56 R25.1 162.55,14.53 U16.4 165.85,16.32 166.25,15.93 172.59,15.93 173.47,16.81 U16.1 173.48,17.83 174.88,19.23 182.11,19.23 U17.4 ; 167.52,63.17 159.9,63.17 159.89,63.18 D13.1 ; 167.52,63.17 182.76,63.17 ; D16.1 182.75,63.18 182.76,63.17 ; D11.1 197.99,63.18 198,63.17 ; v1(162.94,49.71) 162.94,51.74 159.89,54.8 D1.1 159.89,57.83 159.9,57.84 167.52,57.84 ; v1(243.21,17.96) 243.46,17.96 v1(245.75,20.25) ; U3.4 190.11,73.59 189.35,74.35 189.35,80.19 190.37,81.21 U3.1 190.88,81.98 RV2.2 193.16,87.3 193.16,88.83 192.65,89.34 191.9,89.34 U2.4 190.88,88.33 189.86,87.3 186.27,87.3 R23.2 ; 167.52,57.84 167.51,57.83 D3.1 167.51,48.2 169.55,46.16 172.85,46.16 173.61,46.92 D2.1 179.7,42.6 180.98,42.6 183,44.62 D5.1 ; v1(67.69,38.28) 67.69,37.27 65.15,34.72 J7.10 ; U5.2 216.78,38.52 216.79,38.53 217.05,38.53 220.6,34.98 220.6,32.44 222.14,30.9 Q10.1 Q9.1 226.96,30.93 v1(227.71,31.68) ; 280.04,38.28 280.04,38.28 ; J4.10 10.02,18.72 12.38,21.08 J6.2 ; 244.22,36 243.97,36 ; 4.95,80.95 J12.3 ; 182.76,63.17 189.87,63.17 ; 189.87,63.17 198,63.17 ; 189.87,63.17 190.12,63.17 190.37,63.42 D12.1 194.18,69.02 v1(199.77,69.02) ; v1(279.53,52.5) 276.23,52.5 273.94,50.22 J15.1 ; RV1.2 190.88,98.74 U2.1 182.76,97.97 v1(180.72,95.94) ; U9.2 66.91,51.93 U7.2 66.91,51.76 ; 198,63.17 204.85,63.17 205.6,63.92 D9.1 205.6,55.81 D17.1 205.61,57.84 211.75,57.84 U5.4 U5.4 ; 250.06,30.41 250.06,30.15 ; R38.2 245.99,87.31 v1(247.02,86.29) ; D15.1 175.12,63.17 ; v1(65.4,27.61) 50.16,27.61 46.09,23.55 46.09,19.23 47.36,17.96 50.16,17.96 52.17,15.94 52.17,9.12 J3.5 53.93,5.98 52.2,4.25 37.98,4.25 36.71,5.52 36.71,10.58 28.3,18.98 26.79,18.98
  Bottom w0.5: 251.17,104.23 251.17,101.69 ; 258.79,96.61 257.18,98.22 257.18,100.26 v1(255.91,101.53) ; J10.8 279.79,93.9 276.23,97.46 276.23,101.27 273.18,104.32 v1(272.16,104.32) 272.15,104.32 ; v1(231.52,73.84) 229.49,75.87 222.12,75.87 221.11,74.86 Q4.3 ; K3.6 269.89,40.58 271.91,42.6 283.09,42.6 284.1,41.58 284.1,39.04 283.33,38.28 J2.2 ; v1(44.83,61.9) 44.83,42.1 Q1.3 ; v1(49.15,61.65) 49.47,61.33 49.47,58.03 53.98,53.52 64.11,53.52 U7.2
  Bottom w0.7: 272.15,104.32 267.85,104.32 265.81,102.29 265.81,100 262.64,96.83 262.64,96.32 ; J5.4 280.3,71.29 278,73.59 278,80.95 262.64,96.32 ; 262.64,96.32 262.35,96.61 258.79,96.61
  Bottom w1: U6.2 U6.2 233.43,37.39 234.82,36 243.97,36 ; 280.04,38.28 276.99,35.23 268.86,35.23 267.85,34.22 267.85,25.58 264.04,21.77 258.45,21.77 244.22,36 ; 280.04,38.28 J2.2
  Bottom w2: v2(22.99,53.78) 22.99,52.26 12.82,42.09 12.82,32.69 15.26,30.25 K2.6 18,31.17 24.25,31.17 v2(27.3,28.12) ; J1.11 2.66,95.43 2.16,94.93 2.16,83.23 4.44,80.95 ; 4.44,80.95 J12.3 ; 4.44,80.95 2.41,78.93 2.41,69.51 3.68,68.25 J12.8 ; v2(27.3,20.75) 27.31,20.75 27.31,14.91 v2(30.35,11.87) ; v2(23.5,8.82) 21.46,8.82 16.64,13.64 14.61,13.64 12.58,15.68 12.58,19.11 14.54,21.08 J6.2
BRAKE_{PWR}: length 688.5
  Top w0.25: v1(19.17,37.52) 18.66,37.01 18.66,28.88 13.58,23.8 v1(11.8,23.8) ; R57.2 R58.2 ; v1(219.57,61.14) 219.57,60.95
  Top w0.5: J12.6 8.25,73.33 10.04,75.12 10.04,86.54 v3(10.29,86.8) 7.74,86.8 6.98,86.03 J12.1
  Top w0.8: 219.57,60.95 U5.3
  Top w1: J10.6 283.59,98.98 284.85,97.72 ; 284.85,97.72 284.85,52.25 283.57,50.97 J5.12 ; 284.85,97.72 284.85,110.67 283.84,111.69 281.81,111.69 J10.1 267.34,111.68 v1(267.33,111.69) ; v3(185.54,38.03) 204.59,38.03 U5.3 U5.3 ; v3(162.17,38.79) 72.76,38.79 60.57,50.98 53.46,50.98 46.35,58.09 v1(40,58.09) 28.82,58.09 17.65,69.27 v3(17.65,86.8) v1(20.69,89.84)
  Bottom w0.25: v1(19.17,37.52) 39.74,58.09 v1(40,58.09) ; 194.95,71.81 194.95,80.7 199.26,85.02 199.26,88.06 200.79,89.59 204.6,89.59 205.36,90.35 205.36,93.65 204.09,94.92 R30.2 ; R31.2 203.84,77.65 205.11,76.38 205.11,71.81 ; v1(11.8,23.8) J4.8 ; 219.32,65.2 219.57,64.95
  Bottom w0.8: U15.100 154.91,112.71 158.98,108.64 169.28,108.64 172.33,105.59 172.33,92.64 181.22,83.75 181.22,74.86 184.27,71.81 212.72,71.81 219.32,65.2 ; 219.57,64.95 v1(219.57,61.14)
  Bottom w1: v1(20.69,89.84) 38.73,89.84 42.21,93.33 U12.1 ; R57.2 243.45,114.74 253.61,114.74 256.66,111.69 v1(267.33,111.69) ; v3(162.17,38.79) 184.78,38.79 v3(185.54,38.03) ; v3(10.29,86.8) v3(17.65,86.8) ; U5.3 229.8,53.27 260.73,53.27 267.08,46.92 276.98,46.92 278.25,48.19 278.25,49.97 279.25,50.97 J5.12
BRAKE_{SIG}: length 270.3
  Top w0.25: v1(36.7,72.06) 37.2,72.57 74.54,72.57 76.32,74.35 76.32,85.53 82.16,91.37 82.16,114.54 83.12,115.5 v1(135.12,115.5)
  Bottom w0.25: v1(135.12,115.5) 135.37,115.75 161.16,115.75 162.68,114.23 176.84,114.23 180.22,110.86 180.22,105.08 181.74,103.56 185.55,103.56 R29.2 ; v1(36.7,72.06) 36.7,71.3 15.61,50.22 8.5,50.22 7.49,49.2 7.49,44.63 6.47,43.62 3.43,43.62 2.41,42.6 2.41,23.67 J4.9
BSPD_Pin: length 187.1
  Top w0.25: U15.61 90.3,64.44 108.32,64.44 109.09,65.2 110.86,65.2 112.9,63.17 112.9,50.99 114.18,49.71 154.05,49.71 154.81,50.47 193.93,50.47 195.71,48.7 195.71,45.89 v1(195.21,45.39) ; v1(208.4,43.87) 207.64,44.63 v1(204.34,44.63) ; Q10.3 222.14,22.51 223.26,21.39 R36.1
  Bottom w0.25: v1(195.21,45.39) 195.96,44.63 v1(204.34,44.63) ; Q10.3 220.72,23.93 219.83,24.82 219.83,33.45 219.57,33.71 213.73,33.71 208.4,39.04 v1(208.4,43.87)
CAN1_{RX}: length 42.1
  Top w0.25: U7.4 71.99,52.5 72.26,52.76 79.88,52.76 82.16,55.05 82.16,80.19 83.69,81.72 84.71,81.72 U15.81
CAN1_{TX}: length 54.9
  Top w0.25: U7.3 69.45,51.99 70.99,53.52 79.37,53.52 81.4,55.55 81.4,80.95 83.69,83.24 83.69,85.02 84.7,86.03 88.17,86.03 89.27,84.93 89.27,83.74 U15.82
CAN_H_{BMS}: length 146.2
  Top w0.25: v1(185.8,35.49) 238.62,35.49 239.64,36.5 239.64,40.06 242.44,42.85 v1(244.21,42.85) ; v1(273.93,12.63) 267.34,19.22 267.34,21.26 v1(263.78,24.82)
  Bottom w0.25: v1(273.93,12.63) 275.71,10.85 279.52,10.85 280.28,11.61 280.28,14.91 280.78,15.42 J2.11 ; SW3.6 172.06,26.11 170.81,27.36 170.81,34.73 171.57,35.49 v1(185.8,35.49) ; v1(263.78,24.82) 263.27,25.33 259.21,25.33 251.07,33.47 251.07,36 v1(244.21,42.85)
CAN_H_{DEBUG}: length 145.2
  Top w0.25: v1(159.12,40.57) 154.55,40.57 151.76,43.36 93.08,43.36 v1(86.23,50.22)
  Bottom w0.25: J7.1 42.29,34.22 43.55,35.49 58.8,35.49 69.73,46.41 81.15,46.41 84.96,50.22 v1(86.23,50.22) ; v1(159.12,40.57) 159.63,40.06 159.63,33.96 160.65,32.95 160.65,28.27 SW1.6
CAN_H_{INV}: length 200.8
  Top w0.25: J1.5 9.02,110.67 14.1,105.59 14.1,69.77 27.8,56.06 33.77,56.06 40.77,49.07 40.77,36.25 41.79,35.23 73.02,35.23 75.05,37.27 133.73,37.27 v1(134.5,36.5)
  Bottom w0.25: SW4.3 137.3,28.61 136.26,29.64 136.26,34.73 v1(134.5,36.5)
CAN_H_{LOGGER}: length 108.5
  Top w0.25: v1(98.16,21.26) 101.97,25.07 119,25.07 120.78,23.3 151.26,23.3 152.64,24.68 SW5.6
  Bottom w0.25: v1(98.16,21.26) 97.4,20.5 82.16,20.5 80.39,18.73 80.39,16.96 78.35,14.91 65.91,14.91 63.37,17.45 55.62,17.45 J3.7
CAN_L_{BMS}: length 145
  Top w0.25: v1(244.47,44.12) 242.44,44.12 238.88,40.57 238.88,38.03 237.61,36.76 v1(185.8,36.76) ; J2.12 280.79,11.87 v1(278.76,11.87) ; v1(274.69,13.9) 268.34,20.25 268.34,22.03 v1(264.04,26.34)
  Bottom w0.25: v1(264.04,26.34) 259.72,26.34 252.09,33.97 252.09,36.5 v1(244.47,44.12) ; v1(274.69,13.9) 276.73,13.9 v1(278.76,11.87) ; SW3.3 167.27,28.61 166.49,29.39 166.49,34.73 168.52,36.76 v1(185.8,36.76)
CAN_L_{DEBUG}: length 139.7
  Top w0.25: v1(89.79,44.89) 89.53,44.89 85.71,48.7 v1(85.47,48.7) ; SW1.3 156.35,28.61 v1(155.82,29.14)
  Bottom w0.25: v1(89.79,44.89) 89.79,44.89 97.91,53.01 121.02,53.01 138.3,35.74 154.81,35.74 155.82,34.73 v1(155.82,29.14) ; J7.2 44.83,33.71 45.84,34.73 59.31,34.73 70.23,45.65 81.65,45.65 84.71,48.7 v1(85.47,48.7)
CAN_L_{INV}: length 208.4
  Top w0.25: J1.6 9.53,108.13 13.34,104.32 13.34,69.26 27.55,55.05 33.65,55.05 40,48.7 40,35.23 40.76,34.47 73.78,34.47 75.56,36.25 v1(130.42,36.25)
  Bottom w0.25: SW4.6 142.61,24.56 142.11,24.06 137.28,24.06 135.25,26.09 135.25,33.2 132.2,36.25 v1(130.42,36.25)
CAN_L_{LOGGER}: length 105.5
  Top w0.25: SW5.3 147.67,28.61 146.42,27.36 146.42,25.33 145.15,24.06 121.29,24.06 119.26,26.09 101.21,26.09 v1(96.64,21.52)
  Bottom w0.25: J3.8 54.41,19.48 62.86,19.48 66.16,16.18 78.1,16.18 79.38,17.46 79.38,19.74 81.16,21.52 v1(96.64,21.52)
ESP_RX: length 202.1
  Top w0.25: U11.34 177.59,99.17 179.95,101.53 179.95,111.43 174.11,117.28 147.96,117.28 121.89,91.21 121.49,91.21 116.2,85.92 v1(116.2,73.59)
  Bottom w0.25: J7.9 62.61,35.49 70.73,43.62 84.19,43.62 92.32,51.74 92.32,68.25 89.78,70.79 86.48,70.79 86.48,70.82 U15.68 86.4,73.25 115.86,73.25 v1(116.2,73.59)
ESP_TX: length 196.3
  Top w0.25: v1(116.45,72.06) 117.47,73.08 117.47,86.55 121.68,90.76 122.72,90.76 148.47,116.51 173.86,116.51 179.19,111.18 179.19,101.86 177.76,100.44 U11.35 ; v1(91.05,66.73) 91.05,71.05 90.03,72.07 U15.69
  Bottom w0.25: J7.7 58.3,32.44 70.74,44.89 82.92,44.89 91.05,53.01 v1(91.05,66.73) ; U15.69 116.44,72.07 v1(116.45,72.06)
ESP_{SCL}: length 126
  Top w0.25: U11.36 177.76,101.71 178.43,102.37 178.43,110.93 173.6,115.75 148.97,115.75 123.54,90.31 122.26,90.31 v1(120.77,88.83)
  Bottom w0.25: 95.36,94.93 101.47,88.83 v1(120.77,88.83) ; 95.36,94.93 96.64,93.65 101.98,93.65 102.48,94.15 R54.1 ; 95.36,94.93 U15.93
ESP_{SDA}: length 150
  Top w0.25: v1(115.94,87.81) 117.22,87.81 147.45,118.04 174.36,118.04 180.71,111.69 180.71,100.85 177.76,97.9 U11.33
  Bottom w0.25: v1(115.94,87.81) 100.96,87.81 95.12,93.65 86.51,93.65 U15.92 86.4,96.11 86.4,98.4 86.73,98.73 R52.1
